# KiCad board RADAR_Main_Board.kicad_pcb
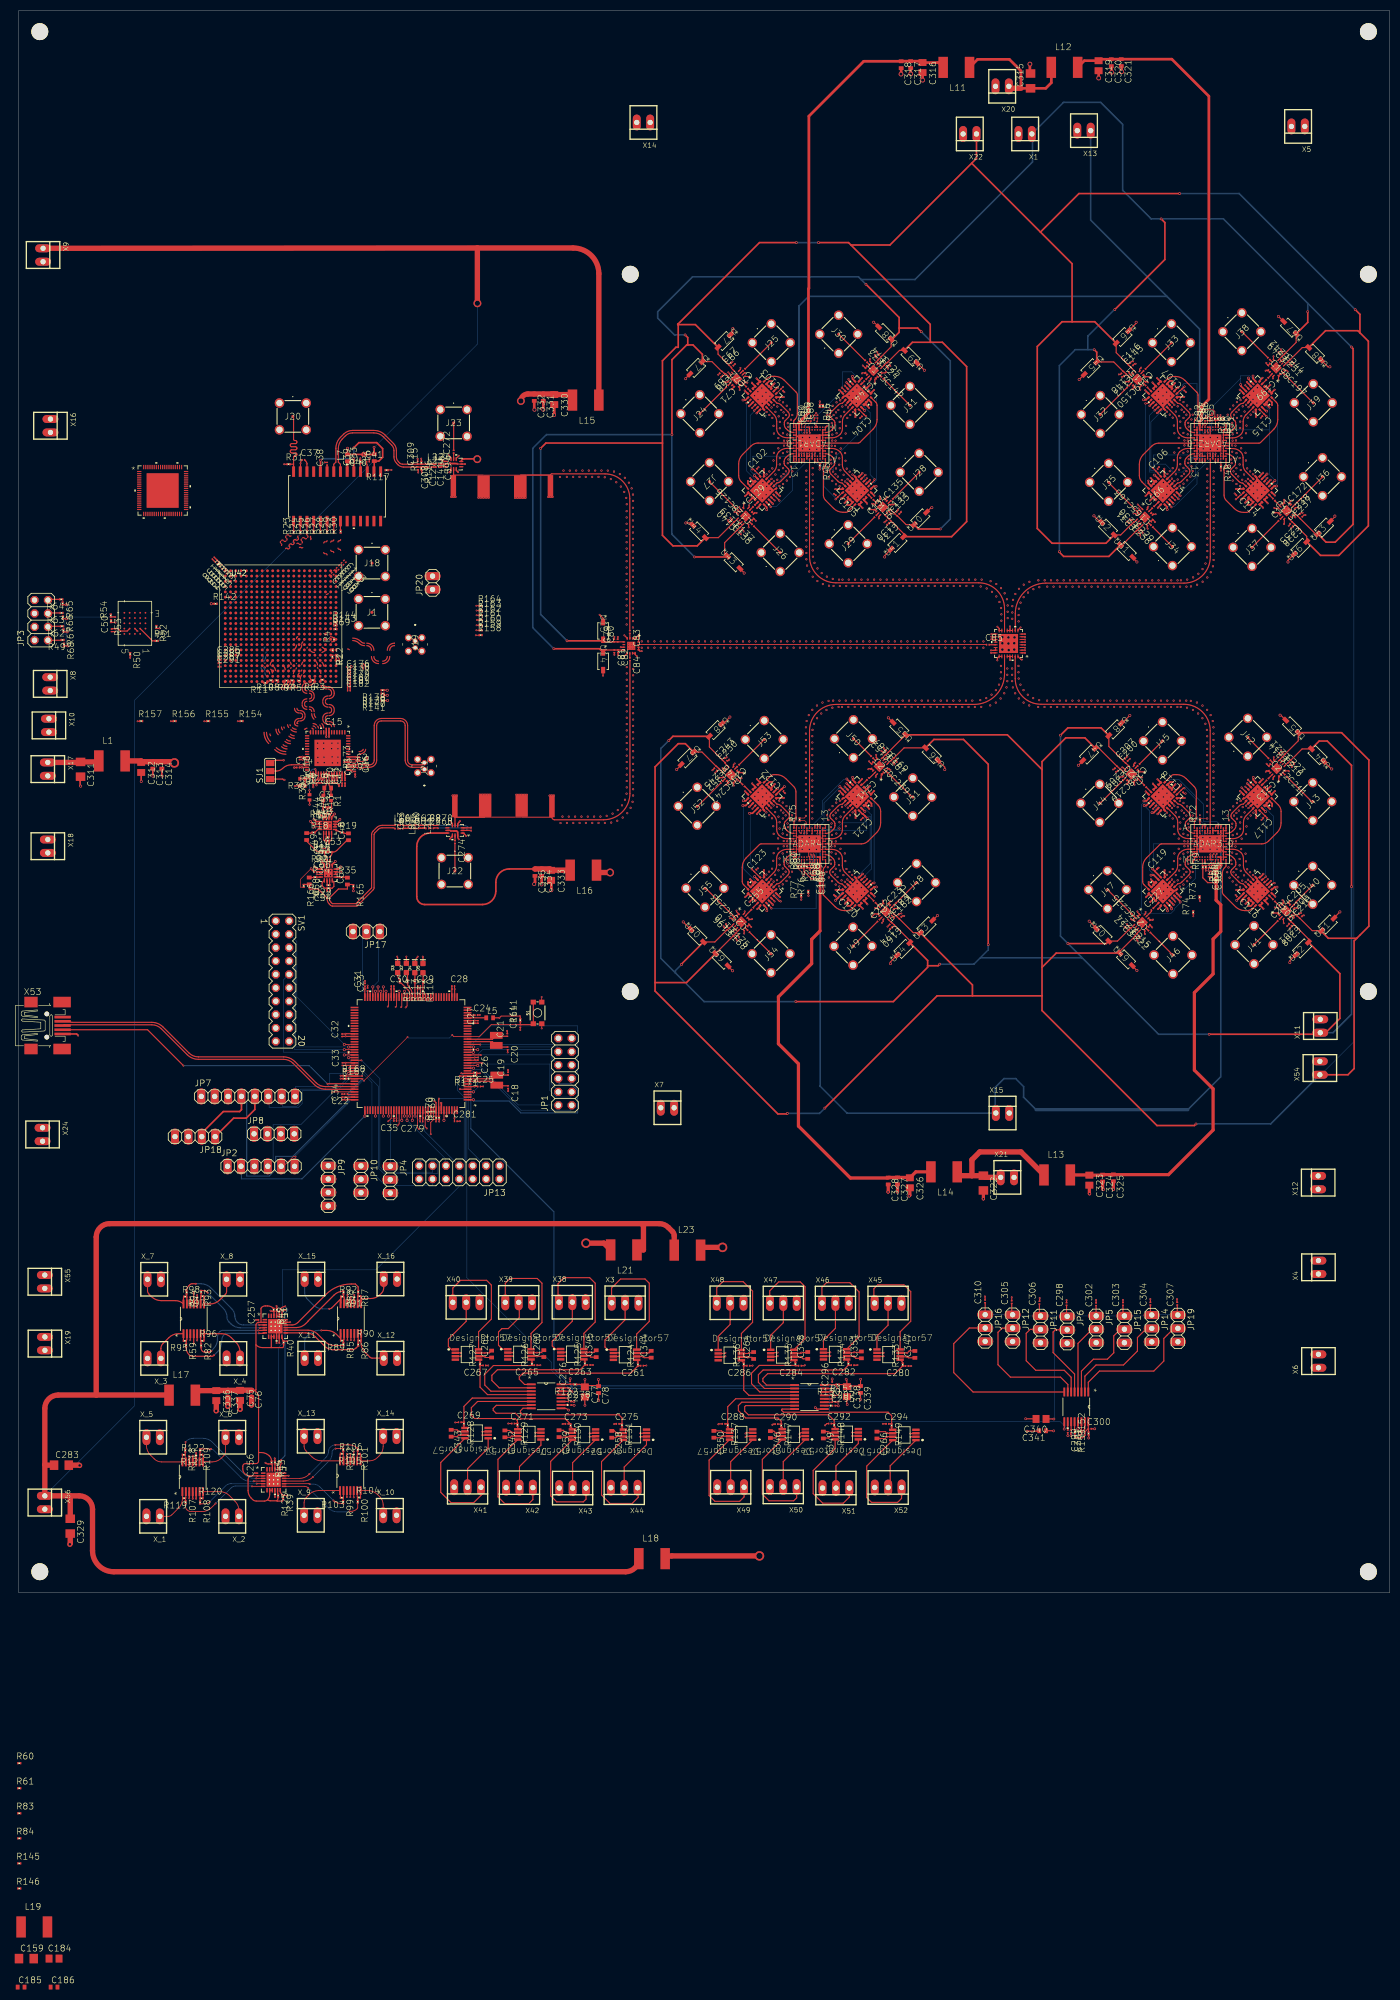
[diagram p0: board, top side]
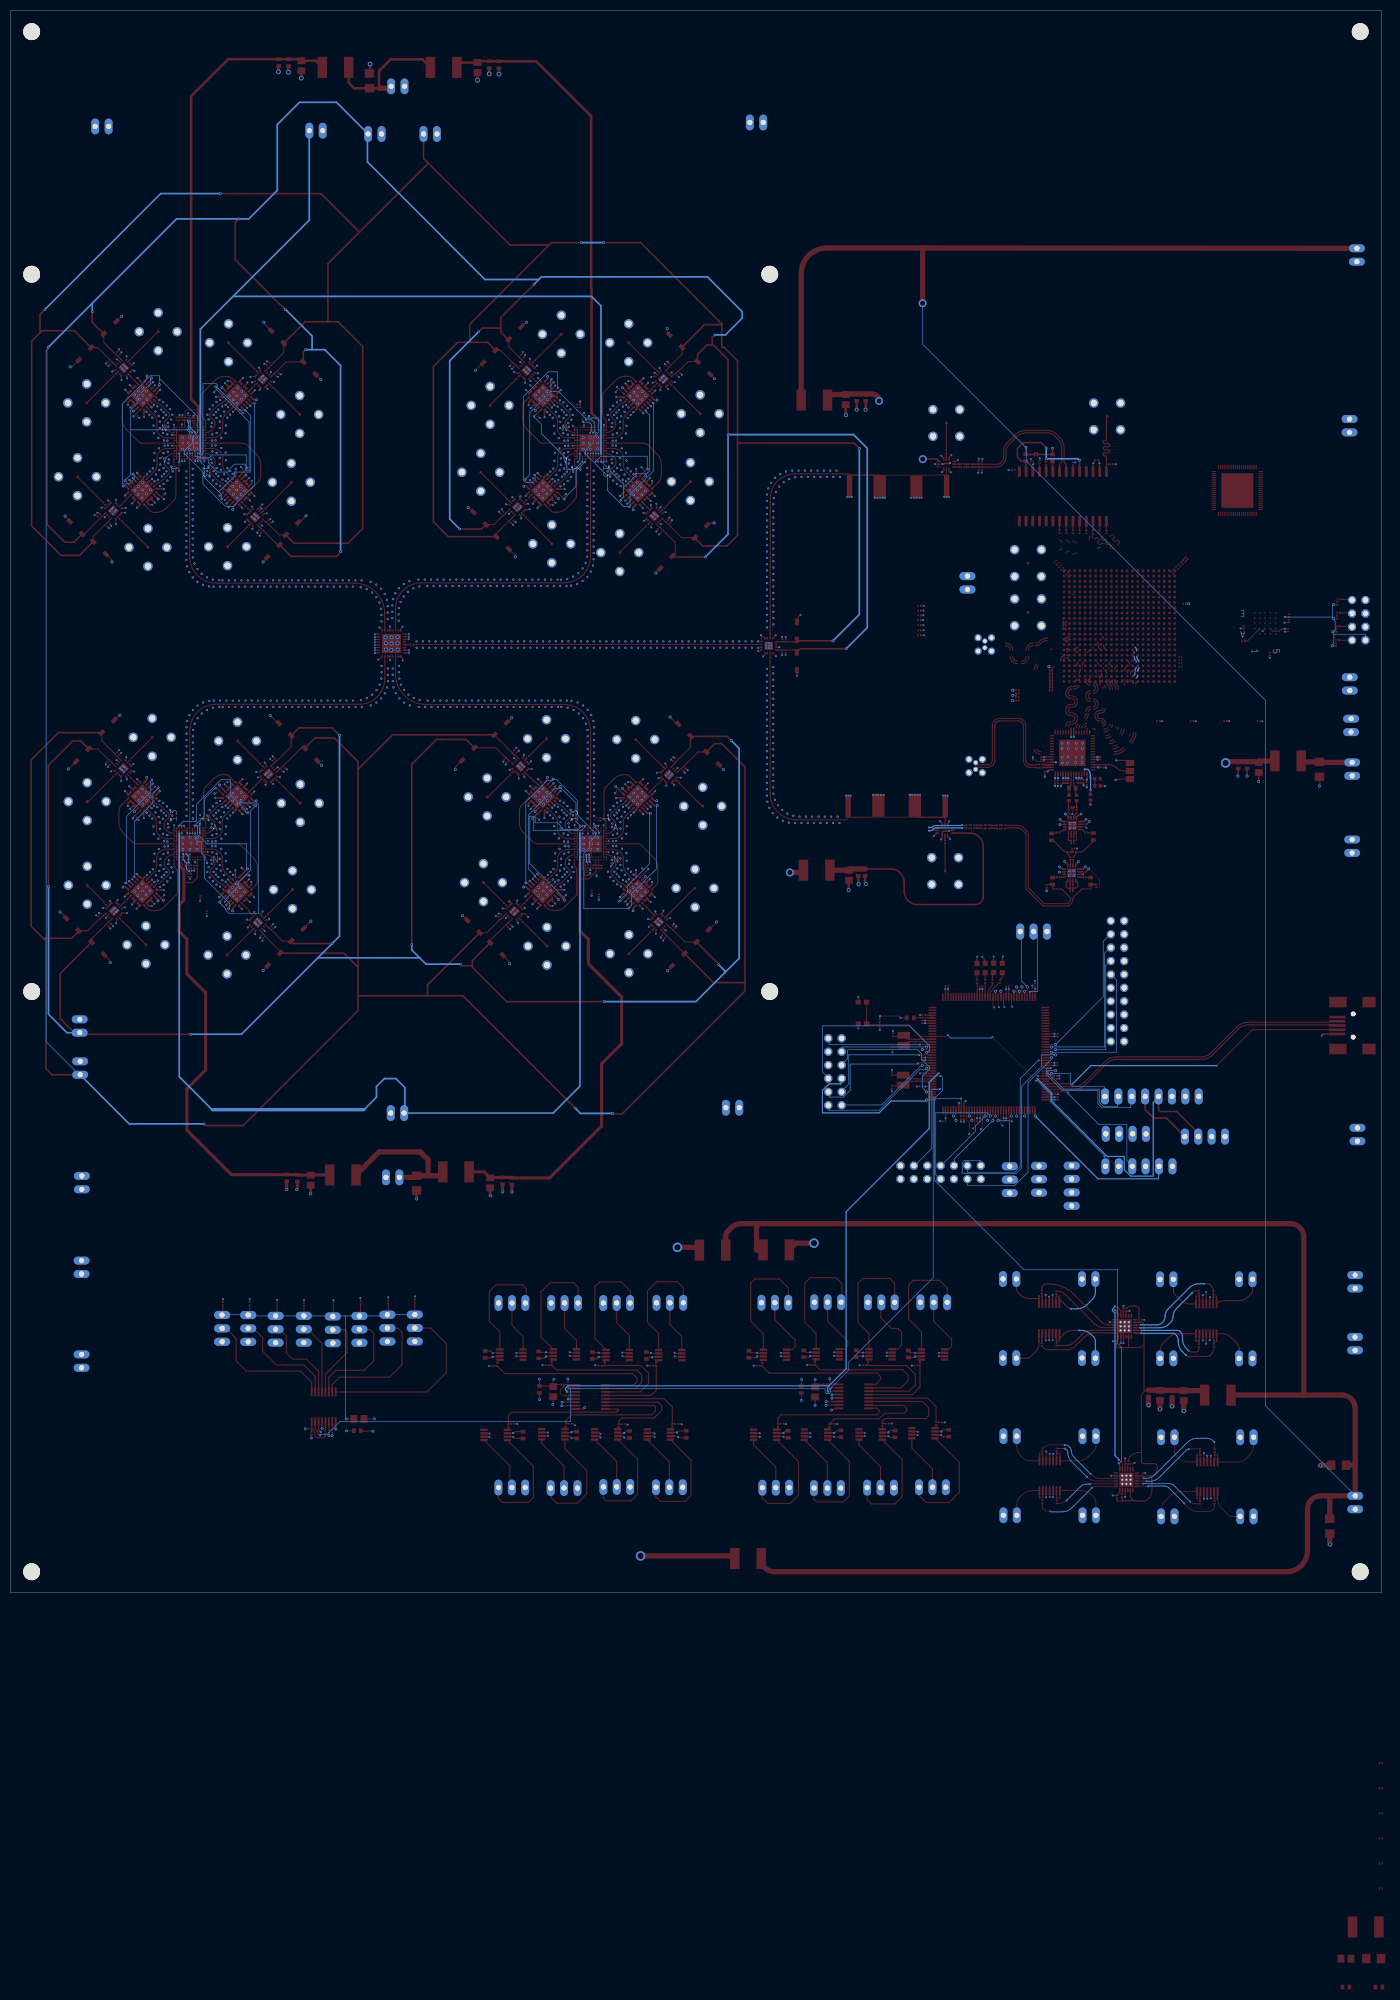
[diagram p1: board, bottom side, seen from below]

Outline 260 x 300 mm; copper layers: Top, In1.Cu, In2.Cu, In3.Cu, In4.Cu, In5.Cu, In6.Cu, In7.Cu, In8.Cu, Bottom. Coordinates in mm from the lower left corner of the outline.
Outline path: 0,300 0,0 260,0 260,300 0,300

## Placement (name value [footprint] x y rotation side)
ADAR1_0  ADAR1000ACCZN  [CC-88-1_ADI]  150 218 180 top
ADAR2_0  ADAR1000ACCZN  [CC-88-1_ADI]  226 218 180 top
ADAR3_0  ADAR1000ACCZN  [CC-88-1_ADI]  226 142 0 top
ADAR4_0  ADAR1000ACCZN  [CC-88-1_ADI]  150 142 0 top
ADTR1107_1  ADTR1107ACCZ  [CC-24-8_ADI]  141 209 225 top
ADTR1107_2  ADTR1107ACCZ  [CC-24-8_ADI]  159 209 315 top
ADTR1107_3  ADTR1107ACCZ  [CC-24-8_ADI]  141 227 135 top
ADTR1107_4  ADTR1107ACCZ  [CC-24-8_ADI]  159 227 45 top
ADTR1107_5  ADTR1107ACCZ  [CC-24-8_ADI]  217 209 225 top
ADTR1107_6  ADTR1107ACCZ  [CC-24-8_ADI]  235 209 315 top
ADTR1107_7  ADTR1107ACCZ  [CC-24-8_ADI]  217 227 135 top
ADTR1107_8  ADTR1107ACCZ  [CC-24-8_ADI]  235 227 45 top
ADTR1107_9  ADTR1107ACCZ  [CC-24-8_ADI]  217 133 225 top
ADTR1107_10  ADTR1107ACCZ  [CC-24-8_ADI]  235 133 315 top
ADTR1107_11  ADTR1107ACCZ  [CC-24-8_ADI]  217 151 135 top
ADTR1107_12  ADTR1107ACCZ  [CC-24-8_ADI]  235 151 45 top
ADTR1107_13  ADTR1107ACCZ  [CC-24-8_ADI]  141 133 225 top
ADTR1107_14  ADTR1107ACCZ  [CC-24-8_ADI]  159 133 315 top
ADTR1107_15  ADTR1107ACCZ  [CC-24-8_ADI]  141 151 135 top
ADTR1107_16  ADTR1107ACCZ  [CC-24-8_ADI]  159 151 45 top
C1  0.1uF  [C0201]  64.52 156.43 0 top
C2  0.1uF  [C0201]  64.52 157.08 0 top
C3  2.7pF  [C0402]  58.61 152.59 180 top
C4  0.1uF  [C0201]  55.87 153.47 90 top
C5  0.1uF  [C0201]  56.47 153.82 90 top
C6  0.1uF  [C0201]  57.04 153.82 90 top
C7  0.1uF  [C0201]  57.62 153.82 90 top
C8  0.1uF  [C0201]  59.4 153.77 90 top
C9  0.1uF  [C0201]  59.87 153.77 90 top
C10  0.1uF  [C0201]  60.4 153.77 90 top
C11  0.1uF  [C0201]  61.35 153.77 90 top
C12  0.1uF  [C0201]  61.9 153.77 90 top
C13  0.1uF  [C0201]  63.82 155.47 90 top
C14  0.1uF  [C0201]  52.99 156.48 0 top
C15  0.1uF  [C0201]  58.6 163.86 0 top
C16  0.1uF  [C0201]  53.28 158.23 270 top
C17  47uF  [C0201]  59.11 192.79 135 top
C18  2.7pF  [C0201]  92.83 95.88 270 top
C19  2.7pF  [C0201]  92.82 98.42 90 top
C20  4.3pF  [C0201]  92.73 103.23 270 top
C21  4.3pF  [C0201]  92.67 105.77 90 top
C22  2.2uF  [C0201]  62.08 94.57 180 top
C23  2.2uF  [C0201]  66.17 114.42 90 top
C24  100nF  [C0201]  86.77 109.52 0 top
C25  100nF  [C0201]  87.32 96 0 top
C26  100nF  [C0201]  87.09 101.26 270 top
C27  100nF  [C0201]  87.1 108.24 90 top
C28  100nF  [C0201]  82.41 115.04 0 top
C29  100nF  [C0201]  75.95 115.04 0 top
C30  100nF  [C0201]  70.91 115.03 0 top
C31  47nF  [C0201]  65.66 115.26 90 top
C32  100nF  [C0201]  61.34 105.71 90 top
C33  100nF  [C0201]  61.41 100.24 90 top
C34  100nF  [C0201]  61.35 93.74 90 top
C35  100nF  [C0201]  71.41 89.46 180 top
C36  0.1uF  [C0201]  64.53 158.25 270 top
C37  10uF  [C0201]  53.98 214.81 0 top
C38  0.1uF  [C0201]  58.49 214.07 90 top
C39  0.1uF  [C0201]  63.54 214.17 90 top
C40  10uF  [C0201]  65.47 215.62 180 top
C41  0.1uF  [C0201]  66.25 214.48 0 top
C42  0.1uF  [C0201]  65.48 216.07 180 top
C43  0.2pF  [C0201]  58.6 142.07 180 top
C44  0.1uF  [C0201]  57.81 148.1 90 top
C45  0.1uF  [C0201]  59.31 148.08 90 top
C46  0.1uF  [C0201]  58.57 148.28 90 top
C47  0.1uF  [C0201]  56.22 145.73 0 top
C48  0.1µF  [C0402]  62.55 143.34 90 top
C49  0.1µF  [C0402]  54.62 143.39 270 top
C50  100nF  [C0201]  17.63 182.5 90 top
C51  0.1uF  [C0201]  58.39 139.26 90 top
C52  0.1uF  [C0201]  59.06 139.29 90 top
C53  0.1uF  [C0201]  58.4 141.13 0 top
C54  0.6pF  [C0201]  58.75 133.07 180 top
C55  47uF  [C0201]  39.63 193.43 225 top
C56  0.1uF  [C0201]  56.35 136.71 0 top
C57  0.1µF  [C0402]  62.34 134.95 90 top
C58  0.1µF  [C0402]  55.1 134.97 270 top
C59  32.8pF  [C0201]  80.14 213.74 270 top
C60  103pF  [C0201]  76.72 145.26 90 top
C61  7.8pF  [C0201]  75.56 144.93 0 top
C62  7.8pF  [C0201]  75.55 145.56 0 top
C63  103pF  [C0201]  73.84 145.23 90 top
C64  25pF  [C0201]  72.61 144.89 0 top
C65  25pF  [C0201]  72.62 145.56 0 top
C66  100pF  [C0201]  135.36 232.49 45 top
C67  0.1uF  [C0201]  134.91 232.95 45 top
C68  100pF  [C0201]  133.7 230.97 225 top
C69  0.1uF  [C0201]  133.16 231.41 225 top
C70  1pF  [C0201]  137.58 231.9 225 top
C71  1pF  [C0201]  134.39 228.76 225 top
C72  1pF  [C0201]  138.16 228.51 315 top
C73  100pF  [C0201]  164.39 232.64 315 top
C74  0.1uF  [C0201]  164.95 233.09 315 top
C75  10µF  [C0805]  41.98 37.44 270 top
C76  100nF  [C0402]  44.17 37.77 270 top
C77  10µF  [C0805]  107.38 38.09 270 top
C78  100nF  [C0402]  109.99 38.54 270 top
C79  100pF  [C0201]  112.95 180.56 90 top
C80  0.1uF  [C0201]  113.6 180.56 90 top
C81  100pF  [C0201]  112.97 178.52 270 top
C82  0.1uF  [C0201]  113.66 178.52 270 top
C83  1pF  [C0201]  115.91 182.17 270 top
C84  1pF  [C0201]  115.93 177.02 270 top
C85  1pF  [C0201]  183.83 179.76 0 top
C86  1uF  [C0201]  226.36 223 90 top
C87  1uF  [C0201]  225.91 222.99 90 top
C88  1uF  [C0201]  151.49 222.99 90 top
C89  1uF  [C0201]  150.97 222.98 90 top
C90  1uF  [C0201]  149.79 222.43 90 top
C91  1uF  [C0201]  150.26 222.42 90 top
C92  1uF  [C0201]  225.01 222.49 90 top
C93  1uF  [C0201]  225.47 222.49 90 top
C94  1uF  [C0201]  225.69 137.67 270 top
C95  1uF  [C0201]  226.19 137.65 270 top
C96  1uF  [C0201]  226.23 136.03 270 top
C97  1uF  [C0201]  225.71 136.04 270 top
C98  1uF  [C0201]  149.98 137.72 270 top
C99  1uF  [C0201]  150.51 137.69 270 top
C100  1uF  [C0201]  151.06 136.31 270 top
C101  1uF  [C0201]  150.59 136.31 270 top
C102  10nF  [C0201]  139.83 212.93 45 top
C103  10nF  [C0201]  144.78 228.09 315 top
C104  10nF  [C0201]  160.12 223.26 225 top
C105  10nF  [C0201]  155.17 207.91 135 top
C106  10nF  [C0201]  215.85 212.89 45 top
C107  10nF  [C0201]  220.9 228.14 315 top
C108  4.7uF  [C0201]  60.02 193.71 135 top
C109  4.7uF  [C0201]  59.55 193.23 135 top
C110  0.47uF  [C0201]  60.48 194.16 135 top
C111  0.47uF  [C0201]  60.94 194.62 135 top
C112  0.47uF  [C0201]  61.41 195.11 135 top
C113  0.47uF  [C0201]  61.87 195.57 135 top
C114  10nF  [C0201]  231.14 207.91 135 top
C115  10nF  [C0201]  236.08 223.28 225 top
C116  10nF  [C0201]  231.22 131.83 135 top
C117  10nF  [C0201]  236.24 147.14 225 top
C118  10nF  [C0201]  220.65 151.98 315 top
C119  10nF  [C0201]  215.68 137.01 45 top
C120  10nF  [C0201]  155.14 131.87 135 top
C121  10nF  [C0201]  160.32 147.13 225 top
C122  10nF  [C0201]  144.88 152.19 315 top
C123  10nF  [C0201]  139.7 136.91 45 top
C124  100pF  [C0201]  162.87 234 135 top
C125  0.1uF  [C0201]  163.41 234.54 135 top
C126  1pF  [C0201]  136.19 205.5 315 top
C127  32.8pF  [C0201]  77.23 213.72 270 top
C128  1pF  [C0201]  139.27 202.41 315 top
C129  1pF  [C0201]  139.47 206.09 45 top
C130  100pF  [C0201]  164.79 203.51 225 top
C131  0.1uF  [C0201]  165.28 203.04 225 top
C132  100pF  [C0201]  166.32 204.8 45 top
C133  0.1uF  [C0201]  166.83 204.37 45 top
C134  1pF  [C0201]  162.5 204.12 45 top
C135  1pF  [C0201]  165.61 207.23 45 top
C136  1pF  [C0201]  161.93 207.42 135 top
C137  100pF  [C0201]  135.49 203.23 135 top
C138  0.1uF  [C0201]  135.02 202.74 135 top
C139  100pF  [C0201]  137.02 201.86 315 top
C140  0.1uF  [C0201]  136.39 201.25 315 top
C141  106pF  [C0201]  78.67 213.72 270 top
C142  1pF  [C0201]  163.82 230.39 135 top
C143  1pF  [C0201]  160.73 233.5 135 top
C144  1pF  [C0201]  160.57 229.92 225 top
C145  100pF  [C0201]  211.16 232.54 45 top
C146  0.1uF  [C0201]  210.66 233 45 top
C147  100pF  [C0201]  209.83 230.95 225 top
C148  0.1uF  [C0201]  209.33 231.39 225 top
C149  1pF  [C0201]  213.54 231.86 225 top
C150  1pF  [C0201]  210.4 228.7 225 top
C151  1pF  [C0201]  213.92 228.73 315 top
C152  100pF  [C0201]  165.66 157.62 315 top
C153  4.7uF  [C0201]  38.73 194.33 225 top
C154  4.7uF  [C0201]  39.19 193.87 225 top
C155  0.47uF  [C0201]  38.28 194.79 225 top
C156  0.47uF  [C0201]  37.83 195.23 225 top
C157  0.47uF  [C0201]  37.37 195.68 225 top
C158  0.47uF  [C0201]  36.92 196.16 225 top
C159  22µF  [C1206]  1.45 -69.35 0 top
C160  0.1uF  [C0201]  165.89 126.45 225 top
C161  100pF  [C0201]  164.23 159.09 135 top
C162  0.1uF  [C0201]  167.22 127.96 45 top
C163  1pF  [C0201]  211.87 205.34 315 top
C164  2.2uF  [C0201]  95.14 107.47 90 top
C165  1pF  [C0201]  214.94 202.25 315 top
C166  1pF  [C0201]  215.17 205.82 45 top
C167  100pF  [C0201]  166.18 158.1 315 top
C168  0.1uF  [C0201]  134.12 125.84 135 top
C169  100pF  [C0201]  164.71 159.51 135 top
C170  0.1uF  [C0201]  136.19 124.85 315 top
C171  1pF  [C0201]  239.14 203.45 45 top
C172  1pF  [C0201]  242.24 206.51 45 top
C173  1pF  [C0201]  238.08 207.28 135 top
C174  100pF  [C0201]  165.38 126.9 225 top
C175  0.1uF  [C0201]  134.6 126.26 135 top
C176  47uF  [C0201]  62.65 174.87 0 top
C177  4.7uF  [C0201]  62.65 173.59 0 top
C178  4.7uF  [C0201]  62.65 174.26 0 top
C179  0.47uF  [C0201]  62.64 172.94 0 top
C180  0.47uF  [C0201]  62.62 172.24 0 top
C181  0.47uF  [C0201]  62.62 171.67 0 top
C182  0.47uF  [C0201]  62.63 171.06 0 top
C183  100pF  [C0201]  166.73 128.41 45 top
C184  10µF  [C0805]  6.7 -69.35 0 top
C185  100nF  [C0402]  0.45 -74.75 0 top
C186  1nF  [C0402]  6.7 -74.75 0 top
C196  0.1uF  [C0201]  135.71 124.34 315 top
C197  1pF  [C0201]  240.25 230.89 135 top
C198  1pF  [C0201]  237.12 234 135 top
C199  1pF  [C0201]  236.82 230.17 225 top
C200  100pF  [C0201]  210.13 157.53 45 top
C201  0.1uF  [C0201]  241.14 127.07 225 top
C202  100pF  [C0201]  208.66 156.06 225 top
C203  0.1uF  [C0201]  242.67 128.54 45 top
C204  1pF  [C0201]  238.99 127.57 45 top
C205  1pF  [C0201]  242.06 130.64 45 top
C206  1pF  [C0201]  238.08 131.28 135 top
C207  100pF  [C0201]  209.65 157.95 45 top
C208  0.1uF  [C0201]  241.62 126.65 225 top
C209  100pF  [C0201]  208.14 156.54 225 top
C210  0.1uF  [C0201]  243.19 128.06 45 top
C211  1pF  [C0201]  240.32 154.95 135 top
C212  1pF  [C0201]  237.24 158.04 135 top
C213  1pF  [C0201]  236.87 154.22 225 top
C214  100pF  [C0201]  240.97 157.23 315 top
C215  0.1uF  [C0201]  210.73 126.2 135 top
C216  100pF  [C0201]  239.52 158.68 135 top
C217  0.1uF  [C0201]  211.88 124.29 315 top
C218  1pF  [C0201]  212.42 156.97 225 top
C219  1pF  [C0201]  209.28 153.87 225 top
C220  1pF  [C0201]  213.67 152.93 315 top
C221  100pF  [C0201]  241.49 157.71 315 top
C222  0.1uF  [C0201]  210.31 125.82 135 top
C223  100pF  [C0201]  240 159.2 135 top
C224  0.1uF  [C0201]  212.3 124.77 315 top
C225  1pF  [C0201]  211.39 128.46 315 top
C226  1pF  [C0201]  214.47 125.38 315 top
C227  1pF  [C0201]  215.02 129.62 45 top
C228  100pF  [C0201]  241.86 202.4 225 top
C229  0.1uF  [C0201]  211.3 203.17 135 top
C230  100pF  [C0201]  212.71 201.65 315 top
C231  0.1uF  [C0201]  212.21 201.22 315 top
C232  1pF  [C0201]  163.08 127.47 45 top
C233  1pF  [C0201]  166.2 130.57 45 top
C234  1pF  [C0201]  162.33 131.03 135 top
C235  100pF  [C0201]  241.34 202.88 225 top
C236  0.1uF  [C0201]  210.78 202.69 135 top
C237  100pF  [C0201]  243.27 203.83 45 top
C238  0.1uF  [C0201]  242.8 204.33 45 top
C239  1pF  [C0201]  164.99 155.33 135 top
C240  1pF  [C0201]  161.87 158.44 135 top
C241  1pF  [C0201]  161.08 154.32 225 top
C242  100pF  [C0201]  241.34 233.62 315 top
C243  0.1uF  [C0201]  133.65 158.07 45 top
C244  100pF  [C0201]  239.95 235.09 135 top
C245  0.1uF  [C0201]  132.14 156.52 225 top
C246  1pF  [C0201]  136.45 156.82 225 top
C247  1pF  [C0201]  133.36 153.73 225 top
C248  1pF  [C0201]  137.48 153.08 315 top
C249  100pF  [C0201]  240.86 233.1 315 top
C250  0.1uF  [C0201]  134.17 157.59 45 top
C251  100pF  [C0201]  239.43 234.61 135 top
C252  0.1uF  [C0201]  132.62 156.1 225 top
C253  1pF  [C0201]  135.31 128.57 315 top
C254  1pF  [C0201]  138.43 125.45 315 top
C255  1pF  [C0201]  139.17 129.72 45 top
C256  100nF  [C0201]  45.26 22.42 90 top
C257  100nF  [C0201]  45.46 51.5 90 top
C258  100nF  [C0402]  112.49 30.06 270 top
C259  100nF  [C0402]  102.49 30.17 270 top
C260  100nF  [C0402]  99.6 45.35 90 top
C261  4.7nF  [C0201]  118.23 43.06 180 top
C262  100nF  [C0402]  89.7 45.27 90 top
C263  4.7nF  [C0201]  108.13 43.21 180 top
C264  100nF  [C0402]  139.4 45 90 top
C265  4.7nF  [C0201]  98.08 43.16 180 top
C266  100nF  [C0402]  162.79 29.91 270 top
C267  4.7nF  [C0201]  88.33 43.11 180 top
C268  25pF  [C0201]  78.4 144.95 0 top
C269  4.7nF  [C0201]  83.67 32.34 0 top
C270  25pF  [C0201]  78.39 145.57 0 top
C271  4.7nF  [C0201]  93.77 32.09 0 top
C272  18pF  [C0201]  82.5 216.35 90 top
C273  4.7nF  [C0201]  103.97 32.04 0 top
C274  18pF  [C0201]  82.74 142.36 270 top
C275  4.7nF  [C0201]  113.62 32.04 0 top
C276  1µF  [C0201]  104.58 39.82 90 top
C277  0.1µF  [C0201]  104.52 35.6 0 top
C278  0.1µF  [C0201]  104.52 36.28 0 top
C279  100nF  [C0201]  76.38 89.35 180 top
C280  4.7nF  [C0201]  168.48 43.01 180 top
C281  100nF  [C0201]  82.91 89.41 0 top
C282  4.7nF  [C0201]  158.18 43.16 180 top
C283  22µF  [C1206]  8.1 24.2 0 top
C284  4.7nF  [C0201]  148.18 43.06 180 top
C285  47uF  [C0201]  38.1 177.48 0 top
C286  4.7nF  [C0201]  138.38 43.06 180 top
C287  4.7uF  [C0201]  38.1 176.25 0 top
C288  4.7nF  [C0201]  133.72 32.04 0 top
C289  4.7uF  [C0201]  38.1 176.88 0 top
C290  4.7nF  [C0201]  143.72 31.99 0 top
C291  0.47uF  [C0201]  38.1 175.6 0 top
C292  4.7nF  [C0201]  153.87 32.09 0 top
C293  0.1uF  [C0201]  65.85 157.9 180 top
C294  4.7nF  [C0201]  164.77 32.04 0 top
C295  0.1µF  [C0201]  154.62 35.48 0 top
C296  1µF  [C0201]  154.3 39.72 90 top
C297  0.1µF  [C0201]  154.62 36.18 0 top
C298  100nF  [C0201]  198.75 54.77 90 top
C299  0.1µF  [C0201]  198.98 30.63 270 top
C300  1µF  [C0201]  203.17 31.1 0 top
C301  0.1µF  [C0201]  199.58 30.63 270 top
C302  100nF  [C0201]  204.35 54.72 90 top
C303  100nF  [C0201]  209.45 54.77 90 top
C304  100nF  [C0201]  214.65 54.82 90 top
C305  100nF  [C0201]  188.35 55.12 90 top
C306  100nF  [C0201]  193.6 55.02 90 top
C307  100nF  [C0201]  219.75 54.82 90 top
C308  22pF  [C0201]  75.73 213.2 270 top
C309  22pF  [C0201]  75.69 214.26 90 top
C310  100nF  [C0201]  183.3 55.27 90 top
C311  22µF  [C1206]  11.73 156.14 270 top
C312  10µF  [C0805]  23.23 156.49 270 top
C313  100nF  [C0402]  25.44 156.93 270 top
C314  1nF  [C0402]  27.15 156.93 270 top
C315  22µF  [C1206]  191.92 286.66 90 top
C316  10µF  [C0805]  171.43 289.19 270 top
C317  100nF  [C0402]  169.19 289.75 270 top
C318  1nF  [C0402]  167.38 289.73 270 top
C319  10µF  [C0805]  204.83 289.54 270 top
C320  100nF  [C0402]  207.24 290.12 270 top
C321  1nF  [C0402]  209.13 290.13 270 top
C322  22µF  [C1206]  182.98 77.69 270 top
C323  10µF  [C0805]  203.08 78.24 270 top
C324  100nF  [C0402]  205.59 78.64 270 top
C325  1nF  [C0402]  207.63 78.68 270 top
C326  10µF  [C0805]  169.03 77.74 270 top
C327  100nF  [C0402]  166.69 78.11 270 top
C328  1nF  [C0402]  164.93 78.08 270 top
C329  22µF  [C1206]  9.78 12.64 270 top
C330  10µF  [C0805]  101.58 226.24 270 top
C331  100nF  [C0402]  99.5 226.65 270 top
C332  1nF  [C0402]  97.79 226.65 270 top
C333  10µF  [C0805]  100.98 136.04 270 top
C334  100nF  [C0402]  99.19 136.6 270 top
C335  1nF  [C0402]  97.93 136.58 270 top
C336  10µF  [C0805]  37.48 37.39 270 top
C337  100nF  [C0402]  39.69 37.72 270 top
C338  10µF  [C0805]  157.08 38.14 270 top
C339  100nF  [C0402]  159.68 38.57 270 top
C340  10µF  [C0805]  193.92 32.97 180 top
C341  100nF  [C0402]  194.23 30.73 180 top
C342  100nF  [C0402]  92.22 30.14 270 top
C343  100nF  [C0402]  82.02 30.26 270 top
C344  100nF  [C0402]  119.96 45.24 90 top
C345  100nF  [C0402]  109.54 45.34 90 top
C346  100nF  [C0402]  142.58 30.01 270 top
C347  100nF  [C0402]  169.98 45.21 90 top
C348  100nF  [C0402]  149.66 45.02 90 top
C349  100nF  [C0402]  152.62 29.92 270 top
C350  100nF  [C0402]  131.86 30.06 270 top
C351  100nF  [C0402]  159.82 45.11 90 top
D2  Blue  [LED-0603]  73.53 118.48 90 top
D3  Blue  [LED-0603]  71.88 118.47 90 top
D4  Blue  [LED-0603]  75.13 118.46 90 top
D5  Blue  [LED-0603]  76.68 118.45 90 top
J1  142-0731-211  [1420731211]  67 185.9 0 top
J18  142-0731-211  [1420731211]  67.01 195.24 0 top
J19  CJT-T-P-HH-ST-TH1  [CJTTPHHSTTH1]  75.2 179.82 270 top
J20  142-0731-211  [1420731211]  52 223.05 0 top
J21  CJT-T-P-HH-ST-TH1  [CJTTPHHSTTH1]  76.94 156.76 90 top
J22  142-0731-211  [1420731211]  82.73 136.85 0 top
J23  142-0731-211  [1420731211]  82.5 221.81 0 top
J24  142-0731-211  [1420731211]  129.19 223.55 45 top
J25  142-0731-211  [1420731211]  142.75 237.02 45 top
J26  142-0731-211  [1420731211]  144.44 197.24 135 top
J27  142-0731-211  [1420731211]  131.04 210.69 225 top
J28  142-0731-211  [1420731211]  170.81 212.46 45 top
J29  142-0731-211  [1420731211]  157.34 198.89 45 top
J30  142-0731-211  [1420731211]  155.53 238.64 135 top
J31  142-0731-211  [1420731211]  169.04 225.14 45 top
J32  142-0731-211  [1420731211]  205.15 223.41 45 top
J33  142-0731-211  [1420731211]  218.65 237.01 45 top
J34  142-0731-211  [1420731211]  218.84 198.35 135 top
J35  142-0731-211  [1420731211]  206.75 210.56 45 top
J36  142-0731-211  [1420731211]  247.3 211.61 45 top
J37  142-0731-211  [1420731211]  233.94 198.22 45 top
J38  142-0731-211  [1420731211]  232 239.11 45 top
J39  142-0731-211  [1420731211]  245.55 225.61 45 top
J40  142-0731-211  [1420731211]  245.45 134.16 45 top
J41  142-0731-211  [1420731211]  234.31 122.86 45 top
J42  142-0731-211  [1420731211]  233.13 162.21 135 top
J43  142-0731-211  [1420731211]  245.46 150.02 45 top
J44  142-0731-211  [1420731211]  205.05 149.71 45 top
J45  142-0731-211  [1420731211]  216.95 161.51 45 top
J46  142-0731-211  [1420731211]  218.94 120.93 45 top
J47  142-0731-211  [1420731211]  206.52 133.32 45 top
J48  142-0731-211  [1420731211]  170.3 134.66 45 top
J49  142-0731-211  [1420731211]  158.25 122.61 45 top
J50  142-0731-211  [1420731211]  158.33 161.94 135 top
J51  142-0731-211  [1420731211]  169.59 150.89 45 top
J52  142-0731-211  [1420731211]  128.7 149.14 45 top
J53  142-0731-211  [1420731211]  141.42 161.79 45 top
J54  142-0731-211  [1420731211]  142.7 121.17 45 top
J55  142-0731-211  [1420731211]  130.17 133.59 45 top
JP1  -  [2X06]  103.62 98.79 90 top
JP2  -  [1X06]  45.97 80.87 0 top
JP3  -  [2X04]  4.27 184.42 90 top
JP4  -  [1X03]  70.47 78.34 270 top
JP5  -  [1X03]  204.37 49.98 270 top
JP6  -  [1X03]  198.87 49.87 270 top
JP7  -  [1X08]  43.52 94.12 0 top
JP8  -  [1X04]  48.45 87.02 0 top
JP9  -  [1X04]  58.72 77.18 270 top
JP10  -  [1X03]  64.92 78.41 270 top
JP11  -  [1X03]  193.82 49.95 270 top
JP12  -  [1X03]  188.52 50.19 270 top
JP13  -  [2X07]  83.58 79.72 180 top
JP14  -  [1X03]  214.92 50.13 270 top
JP15  -  [1X03]  209.72 49.97 270 top
JP16  -  [1X03]  183.32 50.21 270 top
JP17  -  [1X03]  65.95 125.38 180 top
JP18  -  [1X04]  33.45 86.5 180 top
JP19  -  [1X03]  219.87 50.14 270 top
JP20  -  [1X02]  78.5 191.5 90 top
L1  -  [L5650M]  17.69 157.73 0 top
L2  12nH  [L0201]  76.23 145.25 270 top
L3  159nH  [L0201]  74.69 144.92 0 top
L4  159nH  [L0201]  74.67 145.56 0 top
L5  BLM15HB121SN1  [0402]  89.33 109.02 0 top
L6  BLM15HB121SN1  [0402]  67.44 215.23 90 top
L7  BLM15HB121SN1  [0402]  62.36 215.19 90 top
L8  12nH  [L0201]  73.31 145.22 270 top
L9  50nH  [L0201]  71.66 144.89 0 top
L10  50nH  [L0201]  71.66 145.55 0 top
L11  -  [L5650M]  177.85 289.22 180 top
L12  -  [L5650M]  198.36 289.23 0 top
L13  -  [L5650M]  196.97 79.23 0 top
L14  -  [L5650M]  175.52 79.82 180 top
L15  -  [L5650M]  107.53 226.15 180 top
L16  -  [L5650M]  107.1 137.02 180 top
L17  -  [L5650M]  31.01 37.48 0 top
L18  -  [L5650M]  120.12 6.48 0 top
L19  -  [L5650M]  2.95 -63.35 0 top
L21  -  [L5650M]  114.77 65.02 180 top
L22  107.3nH  [L0201]  77.96 214.02 0 top
L23  -  [L5650M]  126.84 64.98 0 top
L24  50nH  [L0201]  77.5 144.94 0 top
L25  107.3nH  [L0201]  77.97 213.41 0 top
L26  107.3nH  [L0201]  79.4 214.04 0 top
L27  107.3nH  [L0201]  79.42 213.43 0 top
L28  50nH  [L0201]  77.49 145.57 0 top
OPA_1  OPA4703EA/250  [PW14]  33 22 90 top
OPA_2  OPA4703EA/250  [PW14]  33.2 51.95 90 top
OPA_3  OPA4703EA/250  [PW14]  62.9 22.2 90 top
OPA_4  OPA4703EA/250  [PW14]  63 52 90 top
R1  24R  [R0402]  59.23 150.71 270 top
R2  100R  [R0201]  59.5 177.5 270 top
R3  100R  [R0201]  57.56 173.11 180 top
R4  100R  [R0201]  59.81 180.74 90 top
R5  100R  [R0201]  53.16 172.94 180 top
R6  100R  [R0201]  55.8 173.04 180 top
R7  100R  [R0201]  51.85 172.99 180 top
R8  100R  [R0201]  48.95 173.01 180 top
R9  100R  [R0201]  50.79 172.96 180 top
R10  100R  [R0201]  47.85 173.01 180 top
R11  100R  [R0201]  46.77 172.53 180 top
R12  100R  [R0201]  59.57 178.72 270 top
R13  24R  [R0402]  57.79 150.7 270 top
R14  115R  [R0201]  58.6 143.28 180 top
R15  4.3k  [R0201]  58.6 142.62 180 top
R16  200R  [R0201]  58.01 148.94 180 top
R17  200R  [R0201]  59.07 148.92 180 top
R18  0R  [R0201]  55.93 144.16 0 top
R19  0R  [R0201]  61.32 144.15 0 top
R20  200R  [R0201]  58.22 140.45 180 top
R21  200R  [R0201]  59.16 140.45 180 top
R22  56R  [R0201]  58.76 134.18 180 top
R23  22R  [R0201]  52.14 201.13 90 top
R24  22R  [R0201]  53.44 201.1 90 top
R25  22R  [R0201]  54.69 201.12 90 top
R26  22R  [R0201]  55.94 201.14 90 top
R27  22R  [R0201]  57.24 201.16 90 top
R28  22R  [R0201]  58.49 201.18 90 top
R29  22R  [R0201]  59.76 201.19 90 top
R30  22R  [R0201]  61.06 201.21 90 top
R31  50R  [R0201]  51.18 213.99 0 top
R32  4.3k  [R0201]  58.76 133.6 180 top
R33  3k2  [R0201]  64.84 214.45 90 top
R34  0R  [R0201]  56.23 135.69 0 top
R35  0R  [R0201]  61.21 135.68 0 top
R36  830R  [R0402]  53.83 154.35 180 top
R37  1k  [R0402]  53.81 152.99 0 top
R38  20k  [R0402]  55.16 150.83 90 top
R39  10k  [R0201]  50.14 18.2 270 top
R40  10k  [R0201]  50.24 47.48 270 top
R41  1k  [R0201]  48.94 53.66 270 top
R42  4.7k  [R0201]  48.36 53.66 270 top
R43  1k  [R0201]  48.59 24.74 270 top
R44  4.7k  [R0201]  47.96 24.69 270 top
R45  4.7k  [R0201]  151.96 213.75 270 top
R46  4.7k  [R0201]  151.95 225.02 270 top
R47  4.7k  [R0201]  152.5 225.03 270 top
R48  4.7k  [R0201]  228.03 213.51 270 top
R49  22R  [R0201]  8.32 180.66 180 top
R50  4.7k  [R0201]  21.13 177.99 270 top
R51  22R  [R0201]  26.17 180.49 0 top
R52  4.7k  [R0201]  26.11 183.12 270 top